# KiCad board MegaXE-keyboard.kicad_pcb (continued)
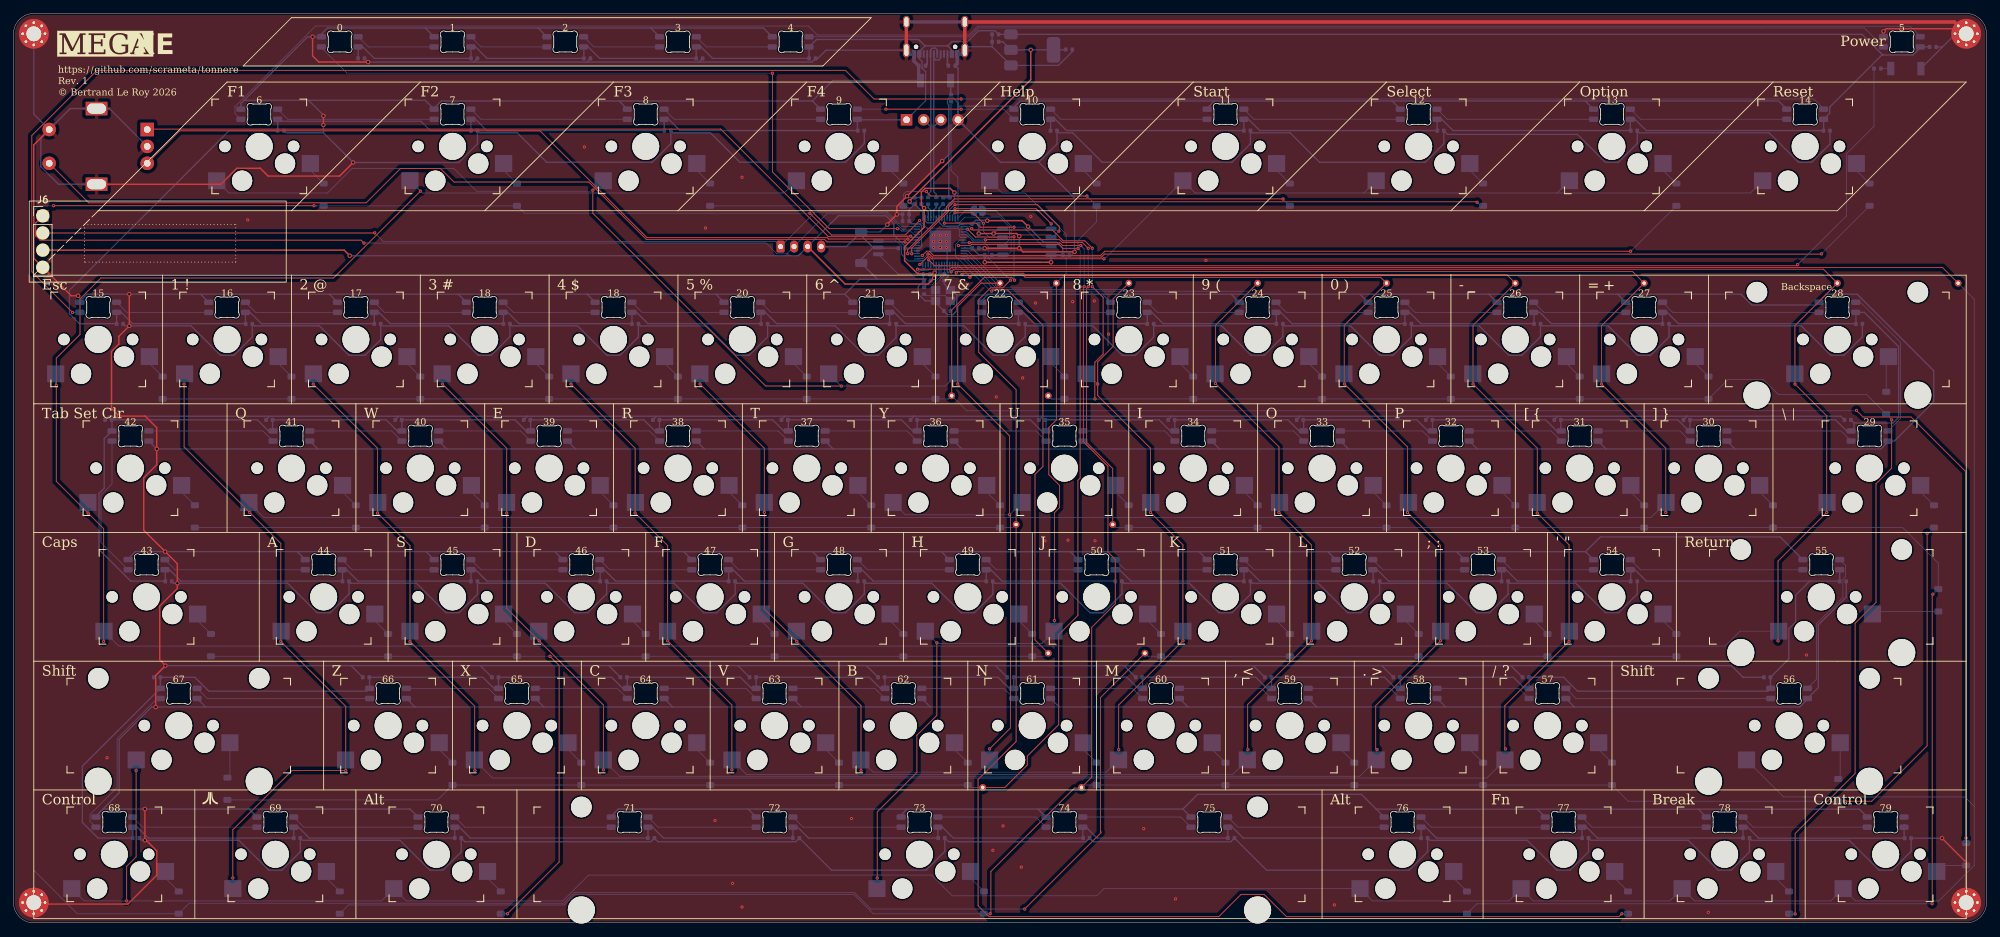
[diagram p0: board, top side]
## Routing (per net, layer and track width the routed paths; a pad name or vN(x,y) marks a point on that pad's centre or on a via; arc(x,y) is an arc through that point) (continued)
/Controller/FLASH_SS: length 12
  Bottom w0.127: 144.66,98.86 144.7,98.91 U9.1 147.07,98.91 147.52,99.35 147.52,103.14 145.26,105.39 R37.2
/Controller/QSPI_SCLK: length 21.5
  Top w0.127: v1(139.22,106.29) 151.42,106.29 154.65,103.06 154.65,102.45 v1(154.59,102.38)
  Bottom w0.127: U9.6 153.45,101.46 153.67,101.46 v1(154.59,102.38) ; U7.52 138.05,105.19 139.16,106.29 v1(139.22,106.29)
/Controller/QSPI_SD0: length 17.7
  Top w0.127: v1(139.22,105.7) 151.22,105.7 v1(153.45,103.46)
  Bottom w0.127: v1(139.22,105.7) 139.14,105.7 138.45,105.01 U7.53 ; U9.5 153.45,102.73 v1(153.45,103.46)
/Controller/QSPI_SD1: length 12.7
  Bottom w0.127: U9.2 146.31,100.18 147.27,101.13 147.27,103.03 145.85,104.45 140.69,104.45 139.92,103.67 139.44,103.67 139.25,103.86 U7.55
/Controller/QSPI_SD2: length 10.2
  Top w0.127: v1(143.43,103.54) 141.86,105.1 v1(139.22,105.1)
  Bottom w0.127: U9.3 144.32,101.45 143.43,102.34 v1(143.43,103.54) ; U7.54 138.85,104.72 v1(139.22,105.1)
/Controller/QSPI_SD3: length 17.9
  Top w0.127: v1(137.65,103.56) 142.35,103.56 142.95,102.96 v1(147.94,102.96)
  Bottom w0.127: v1(147.94,102.96) 149.38,102.96 152.17,100.18 U9.7 ; U7.51 v1(137.65,103.56)
/Controller/QSPI_SS: length 20.5
  Bottom w0.127: R30.1 138.63,121.53 138.63,111.37 139.65,110.35 U7.56 140.74,105.39 R37.1
/Controller/SCL: length 133.1
  Top w0.127: v1(53.4,102.12) 53.38,102.1 J6.2
  Bottom w0.127: U7.41 131.37,103.06 129.23,105.2 118.53,105.2 J1.1 112.66,100.86 54.67,100.86 v1(53.4,102.12)
/Controller/SDA: length 138.2
  Top w0.127: v1(51.83,100.6) 51.39,101.04 3.91,101.04 3.28,101.67 3.28,103.6 J6.1
  Bottom w0.127: U7.40 131.41,102.66 129.12,104.94 120.27,104.94 J1.2 114.36,99.03 112.89,99.03 111.31,100.6 v1(51.83,100.6)
/Controller/SWCLK: length 11.2
  Bottom w0.127: J9.1 130.51,100.96 131.32,100.15 131.32,98.95 132.3,97.97 134.1,97.97 134.18,98.05 134.63,98.05 135.14,98.56 ; 135.14,98.56 135.51,98.56 136.05,98.02 U7.24 ; 135.14,98.56 135.12,98.54
/Controller/SWD: length 9.8
  Bottom w0.127: J9.3 130.79,96.04 133.58,96.04 134.08,96.54 134.76,96.54 134.87,96.64 135.31,96.64 135.65,96.99 U7.25
/Controller/USB_D+: length 25.3
  Bottom w0.2: J5.B6 137.1,127.99 136.83,127.72 136.37,127.72 136.1,127.99 J5.A6 136.1,127.73 136.07,127.7 136.07,117.81 ; R26.1 136.45,107.85 136.07,108.23 136.07,117.81 ; 136.07,117.81 J4.3
/Controller/USB_D-: length 25.3
  Bottom w0.2: J5.A7 136.6,129.2 136.33,129.47 135.87,129.47 135.6,129.2 J5.B7 135.6,127.73 135.62,127.7 135.62,117.86 ; 135.62,117.86 135.59,117.86 J4.2 ; 135.62,117.86 135.62,108.23 135.25,107.85 R28.1
/Controller/USB_DN: length 2.2
  Bottom w0.2: U7.46 135.65,105.47 135.25,105.87 R28.2
/Controller/USB_DP: length 2.2
  Bottom w0.2: U7.47 136.05,105.47 136.45,105.87 R26.2
/Controller/XIN: length 4.3
  Bottom w0.127: X1.1 136.35,94.56 137.65,95.86 C24.1 U7.20
/Controller/XOUT: length 4.9
  Bottom w0.127: R31.2 135.03,94.45 135.88,94.45 137.14,95.71 137.14,97.32 U7.21
/Controller/~{USB_BOOT}: length 2.1
  Bottom w0.25: SW2.2 138.57,122.65 R30.2
/Key0/RGB_IN: length 14.2
  Bottom w0.127: D178.2 188.2,90.36 D169.4
/Key0/RGB_OUT: length 14.2
  Bottom w0.127: D178.4 207.25,90.36 D185.2
/Key1/RGB_IN: length 14.2
  Bottom w0.127: 28.85,90.36 16.75,90.36 D201.4
/Key1/RGB_OUT: length 14.2
  Bottom w0.127: D186.2 35.8,90.36 D193.4
/Key2/RGB_OUT: length 14
  Bottom w0.127: D186.4 54.85,90.36 66.7,90.36
/Key3/RGB_OUT: length 14
  Bottom w0.127: 72.4,91.86 73.9,90.36 85.75,90.36
/Key4/RGB_OUT: length 14.2
  Bottom w0.127: D170.4 92.95,90.36 D167.2
/Key5/RGB_OUT: length 14.2
  Bottom w0.127: 110.5,91.86 112,90.36 D151.2
/Key6/RGB_OUT: length 14.7
  Bottom w0.127: 143.15,90.36 142.53,89.73 131.67,89.73 D151.4
/Key7/RGB_OUT: length 14.2
  Bottom w0.127: D168.2 150.1,90.36 D150.4
/Key8/RGB_OUT: length 14.2
  Bottom w0.127: D169.2 169.15,90.36 D168.4
/KeyA/RGB_IN: length 21.4
  Bottom w0.127: D202.4 23.89,52.26 D197.2
/KeyA/RGB_OUT: length 14.2
  Bottom w0.127: D188.2 50.09,52.26 D197.4
/KeyAlt/RGB_IN: length 19
  Bottom w0.127: D227.2 42.94,14.16 D198.4
/KeyAlt/RGB_OUT: length 23.7
  Bottom w0.127: D227.4 66.76,14.16 D221.2
/KeyB/RGB_IN: length 14.2
  Bottom w0.127: D161.2 146.41,34.71 D155.4
/KeyB/RGB_OUT: length 14.2
  Bottom w0.127: D176.2 127.36,34.71 D161.4
/KeyBackslash/RGB_IN: length 23
  Bottom w0.127: D229.2 279.05,74.67 279.05,85.9 273.1,91.86 D204.4
/KeyBackslash/RGB_OUT: length 19
  Bottom w0.127: D194.2 270.24,72.81 D229.4
/KeyBreak/RGB_IN: length 19
  Bottom w0.127: D210.2 233.44,14.16 D226.4
/KeyBreak/RGB_OUT: length 19
  Bottom w0.127: D225.2 257.26,14.16 D210.4
/KeyC/RGB_IN: length 14.2
  Bottom w0.127: D184.2 108.31,34.71 D176.4
/KeyC/RGB_OUT: length 14.2
  Bottom w0.127: D184.4 89.26,34.71 D187.2
/KeyCaps/RGB_IN: length 21.4
  Bottom w0.127: D202.2 12.93,56.27 12.93,63.33 14.56,64.96 D206.4
/KeyComma/RGB_IN: length 14.2
  Bottom w0.127: D179.4 203.56,34.71 D175.2
/KeyComma/RGB_OUT: length 14.2
  Bottom w0.127: D162.2 184.51,34.71 D175.4
/KeyControl/RGB_IN: length 24
  Bottom w0.127: D209.4 21.25,33.21 15.33,27.28 15.33,20.04 11.32,16.03 11.32,15.02 D205.2
/KeyControl/RGB_OUT: length 19
  Bottom w0.127: D205.4 19.13,14.16 D198.2
/KeyD/RGB_IN: length 14.2
  Bottom w0.127: D188.4 69.14,52.26 D181.2
/KeyD/RGB_OUT: length 14
  Bottom w0.127: 100.03,52.26 88.19,52.26 D181.4
/KeyDelete/RGB_IN: length 23.7
  Bottom w0.127: 243.85,91.86 245.35,90.36 D204.2
/KeyE/RGB_IN: length 14.2
  Bottom w0.127: D172.4 94.02,72.81 D183.2
/KeyE/RGB_OUT: length 14.2
  Bottom w0.127: D183.4 74.97,72.81 D189.2
/KeyEqual/RGB_IN: length 14.2
  Bottom w0.127: D195.2 226.3,90.36 D185.4
/KeyEsc/RGB_IN: length 300.9
  Top w0.127: v1(140.13,121.94) 127.25,121.94 123.02,126.17 12.34,126.17 2.7,116.53 2.7,96.37 v1(8.73,90.34)
  Bottom w0.127: D211.4 267.66,120.51 266.22,121.94 v1(140.13,121.94) ; v1(8.73,90.34) 8.74,90.36 9.55,90.36
/KeyF1/RGB_IN: length 257.9
  Bottom w0.127: D149.4 281.95,131.22 280.47,132.7 142.57,132.7 141.27,131.4 118.87,131.4 117.53,132.73 44.68,132.73 32.75,120.81 32.75,119.8 33.43,119.11
/KeyF1/RGB_OUT: length 23.7
  Bottom w0.127: D154.4 40.56,118.93 D207.2
/KeyF2/RGB_OUT: length 23.5
  Bottom w0.127: 90.51,118.93 69.14,118.93 D207.4
/KeyF3/RGB_OUT: length 23.7
  Bottom w0.127: D159.4 97.71,118.93 D208.2
/KeyF4/RGB_OUT: length 23.7
  Top w0.127: v1(140.13,120.43) v1(129.01,120.43)
  Bottom w0.127: D208.4 129,120.43 v1(129.01,120.43) ; D160.2 146.43,120.42 140.14,120.42 v1(140.13,120.43)
/KeyF/RGB_OUT: length 14.2
  Bottom w0.127: D174.4 107.24,52.26 D163.2
/KeyFn/RGB_IN: length 19
  Bottom w0.127: D228.4 209.63,14.16 D226.2
/KeyG/RGB_OUT: length 14.2
  Bottom w0.127: D163.4 126.29,52.26 D157.2
/KeyH/RGB_OUT: length 14.2
  Bottom w0.127: D157.4 145.34,52.26 D156.2
/KeyHelp/RGB_OUT: length 23.7
  Bottom w0.127: D214.2 154.86,118.93 D160.4
/KeyI/RGB_IN: length 14.2
  Bottom w0.127: D171.4 189.27,72.81 D166.2
/KeyI/RGB_OUT: length 14.2
  Bottom w0.127: D166.4 170.23,72.81 D152.2
/KeyJ/RGB_OUT: length 14.2
  Bottom w0.127: D156.4 164.39,52.26 D164.2
/KeyK/RGB_OUT: length 14.2
  Bottom w0.127: D173.2 183.44,52.26 D164.4
/KeyL/RGB_OUT: length 14.2
  Bottom w0.127: D173.4 202.49,52.26 D182.2
/KeyLeftBracket/RGB_IN: length 14.2
  Bottom w0.127: D190.2 246.43,72.81 D194.4
/KeyLeftBracket/RGB_OUT: length 14.2
  Bottom w0.127: D180.2 227.38,72.81 D190.4
/KeyLeftShift/RGB_IN: length 26.1
  Bottom w0.127: D209.2 28.66,33.21 D200.4
/KeyM/RGB_OUT: length 14.2
  Bottom w0.127: D162.4 165.46,34.71 D155.2
/KeyO/RGB_IN: length 14.2
  Bottom w0.127: D171.2 208.32,72.81 D180.4
/KeyOption/RGB_IN: length 23.7
  Bottom w0.127: D213.4 212.01,118.93 D212.2
/KeyOption/RGB_OUT: length 23.7
  Bottom w0.127: D211.2 240.59,118.93 D212.4
/KeyPeriod/RGB_IN: length 14.2
  Bottom w0.127: D191.4 222.61,34.71 D179.2
/KeyQ/RGB_IN: length 14.2
  Bottom w0.127: D199.2 55.92,72.81 D189.4
/KeyQ/RGB_OUT: length 19
  Bottom w0.127: D206.2 36.88,72.81 D199.4
/KeyQuote/RGB_IN: length 14.2
  Bottom w0.127: D192.2 221.54,52.26 D182.4
/KeyQuote/RGB_OUT: length 26.1
  Bottom w0.127: D192.4 240.59,52.26 D203.2
/KeyR/RGB_IN: length 14.2
  Bottom w0.127: D165.4 113.08,72.81 D172.2
/KeyReturn/RGB_OUT: length 21.7
  Bottom w0.127: D203.4 270.91,52.89 270.91,51.24 270.52,50.84 270.52,48.18 266.59,44.25 266.59,36.02 D215.2
/KeyRightAlt/RGB_IN: length 23.7
  Bottom w0.127: D224.4 181.06,14.16 D228.2
/KeyRightShift/RGB_OUT: length 30.9
  Bottom w0.127: D191.2 231.06,33.21 D215.4
/KeySelect/RGB_IN: length 23.7
  Bottom w0.127: D214.4 183.44,118.93 D213.2
/KeySpace/RGB_IN: length 16.6
  Bottom w0.127: D158.2 116.76,14.16 D222.4
/KeySpace/RGB_OUT: length 16.6
  Bottom w0.127: D223.2 151.18,15.66 D158.4
/KeyT/RGB_IN: length 14.2
  Bottom w0.127: D153.4 132.12,72.81 D165.2
/KeyU/RGB_OUT: length 14.2
  Bottom w0.127: D152.4 151.18,72.81 D153.2
/KeyX/RGB_OUT: length 14.2
  Bottom w0.127: D200.2 70.21,34.71 D187.4
/Logo1/RGB_OUT: length 11.8
  Bottom w0.127: D217.2 52.47,129.65 D216.4
/Logo2/RGB_OUT: length 11.8
  Bottom w0.127: D217.4 69.14,129.65 D218.2
/Logo3/RGB_OUT: length 11.8
  Bottom w0.127: D218.4 85.81,129.65 D219.2
/Logo4/RGB_OUT: length 11.8
  Bottom w0.127: D220.2 102.48,129.65 D219.4
/Logo5/RGB_OUT: length 160.6
  Bottom w0.127: D220.4 141.38,131.15 142.68,132.45 273.7,132.45 276.5,129.65
/Space1/RGB_OUT: length 16.6
  Bottom w0.127: D221.4 95.33,14.16 D222.2
/Space3/RGB_OUT: length 16.6
  Bottom w0.127: D223.4 172.61,15.66 D224.2
COL_1: length 241.6
  Top w0.127: v1(144.32,25.74) 147.43,28.84 147.43,60.27 v1(147.3,60.4) 147.3,72.07 v1(139.62,79.74) 139.62,91.24 143.06,94.68 TP1.1 ; v1(122.42,79.45) 111.24,79.45 85.66,105.02 v1(85.66,108.45)
  Bottom w0.127: TP1.1 141.09,99.46 U7.11 ; SW14.1 31.86,108.03 46.43,108.03 50.05,111.65 65.12,111.65 68.49,108.28 85.64,108.28 SW19.1 ; v1(144.32,25.74) 144.35,25.72 SW15.1 ; SW13.1 131.87,60.4 v1(147.3,60.4) SW12.1 ; SW11.1 122.35,79.45 v1(122.42,79.45) 137.77,79.45 SW10.1 139.58,79.78 v1(139.62,79.74)
COL_2: length 152.4
  Top w0.127: TP2.1 154.21,74.43 153.09,73.31 153.09,66.34 154.67,64.76 154.67,61.46 153.92,60.71 153.92,44.75 v1(153.93,44.74) ; v1(127.72,6.64) 127.72,16.42 133.58,22.28 133.58,27.76 136.53,30.71 v1(136.53,41.45)
  Bottom w0.127: SW20.1 146.16,108.03 149.54,108.03 155.66,101.91 155.66,96.13 TP2.1 153.52,93.99 145.59,93.99 145.18,94.39 145.18,94.8 140.93,99.06 U7.12 ; SW18.1 127.68,6.6 v1(127.73,6.64) ; v1(153.93,44.74) 153.93,43.22 SW16.1 152.06,41.35 136.64,41.35 v1(136.53,41.45) SW17.1
COL_3: length 226.7
  Top w0.127: v1(101.52,79.74) 111.02,70.24 v1(111.02,60.74) 111.02,46.44 v1(115.83,41.64) 125.33,32.14 v1(125.33,22.54) ; v1(163.43,25.64) 163.43,32.24 v1(172.93,41.74) 172.93,55.94 v1(168.12,60.74) 168.12,70.24 160.32,78.04 v1(160.32,79.74) 160.32,83.03 162.61,85.32 162.61,92.36 TP3.1
  Bottom w0.127: v1(125.33,22.54) 125.3,22.57 SW21.1 127.11,22.3 161.58,22.3 SW22.1 163.4,25.62 v1(163.43,25.64) ; v1(172.93,41.74) 172.92,41.75 SW24.1 ; TP3.1 163.98,93.73 145.48,93.73 141.12,98.09 141.12,98.46 140.93,98.66 U7.13 ; v1(160.32,79.74) 158.81,81.26 SW28.1 ; SW27.1 101.48,79.78 v1(101.52,79.74) ; v1(168.12,60.74) 168.16,60.78 SW26.1 ; v1(115.83,41.64) 115.77,41.7 SW23.1 ; v1(111.02,60.74) 111.01,60.76 SW25.1
COL_4: length 284.3
  Top w0.127: v1(82.42,79.74) 91.92,70.24 v1(91.92,60.64) 96.73,55.84 v1(96.73,41.74) 106.23,32.24 v1(106.23,22.64) ; TP4.1 177.73,88.43 v1(177.73,79.84) 187.12,70.44 v1(187.12,60.74) 191.93,55.94 v1(191.93,41.74) 182.49,32.31 182.49,25.68 v1(182.52,25.64)
  Bottom w0.127: U7.14 145.27,93.48 182.78,93.48 TP4.1 ; v1(187.12,60.74) 187.21,60.83 187.21,62.21 ; v1(106.23,22.64) 106.25,22.67 SW36.1 108.42,21.94 180.28,21.94 SW35.1 182.45,25.57 v1(182.52,25.64) ; v1(82.42,79.74) 82.44,79.75 SW30.1 ; SW33.1 191.97,41.79 v1(191.93,41.74) ; v1(91.92,60.64) 91.96,60.68 SW32.1 ; SW29.1 177.69,79.88 v1(177.73,79.84) ; v1(96.73,41.74) 96.72,41.75 SW34.1
COL_5: length 341.8
  Top w0.127: v1(141.43,95.54) 141.78,95.9 149.24,95.9 149.59,95.54 202.16,95.54 TP5.1 196.78,88.43 196.78,79.79 v1(196.82,79.74) 206.12,70.44 v1(206.12,60.74) 211.02,55.84 v1(211.02,41.74) 201.43,32.14 201.43,25.84 v1(201.62,25.64) ; v1(63.42,79.74) 72.92,70.24 v1(72.92,60.64) 72.92,46.54 v1(77.72,41.74) 87.23,32.24 v1(87.23,22.64)
  Bottom w0.127: SW38.1 63.39,79.78 v1(63.42,79.74) ; v1(201.62,25.64) 201.5,25.52 SW43.1 199.07,21.69 89.62,21.69 SW44.1 87.2,22.67 v1(87.23,22.64) ; U7.15 141.43,95.65 v1(141.43,95.54) ; SW41.1 211.02,41.75 v1(211.02,41.74) ; SW37.1 196.74,79.83 v1(196.82,79.74) ; SW42.1 77.72,43.11 v1(77.72,41.74) ; SW40.1 72.91,60.66 v1(72.92,60.64) ; v1(206.12,60.74) 206.26,60.88 SW39.1
COL_6: length 400
  Top w0.127: v1(140.26,95.98) 140.43,96.15 149.34,96.15 149.52,95.97 220.78,95.97 TP6.1 215.82,88.43 v1(215.82,79.74) 225.32,70.24 v1(225.32,60.64) 230.02,55.94 v1(230.02,41.64) 220.52,32.14 220.52,25.84 v1(220.62,25.74) ; v1(44.33,79.74) 53.83,70.24 v1(53.83,60.64) 58.62,55.84 v1(58.62,41.64) 68.19,32.08 68.19,22.58 v1(68.22,22.54)
  Bottom w0.127: v1(225.32,60.64) 225.31,60.66 SW48.1 ; v1(215.82,79.74) 215.78,79.78 SW46.1 ; v1(58.62,41.64) 58.62,41.65 SW49.1 ; v1(68.22,22.54) 68.15,22.62 SW52.1 70.83,21.44 217.87,21.44 SW47.1 220.55,25.67 v1(220.62,25.74) ; v1(140.26,95.98) 139.25,96.99 U7.16 ; v1(230.02,41.64) 230.07,41.69 SW50.1 ; SW51.1 53.86,60.68 v1(53.83,60.64) ; v1(44.33,79.74) 44.33,79.75 SW45.1
COL_7: length 461.2
  Top w0.127: v1(139.41,96.23) 139.58,96.4 239.4,96.4 TP7.1 234.82,88.38 v1(234.82,79.74) 244.32,70.24 v1(244.32,60.74) ; v1(25.22,79.74) 25.22,70.44 v1(34.92,60.74) 39.53,56.14 v1(39.53,41.64) 49.12,32.04 v1(49.12,22.54) 41.19,22.54 32.42,13.78 v1(32.42,6.64)
  Bottom w0.127: SW55.1 49.1,22.57 v1(49.12,22.54) ; SW59.1 32.43,6.64 v1(32.42,6.64) ; v1(25.22,79.74) 25.28,79.8 SW54.1 ; v1(39.53,41.64) 39.57,41.69 SW56.1 ; SW53.1 234.83,79.75 v1(234.82,79.74) ; v1(34.92,60.74) 34.92,62.1 SW57.1 37.05,59.97 242.12,59.97 244.36,62.21 244.36,60.78 v1(244.32,60.74) ; v1(139.41,96.23) 138.85,96.79 U7.17
COL_8: length 623.2
  Top w0.127: v1(13.33,41.64) 13.33,58.34 v1(11.02,60.64) 6.33,65.34 v1(6.33,79.54) 6.33,83.58 9.83,87.08 9.83,92.34 12.92,95.44 47.33,95.44 v1(60.17,108.29) ; v1(260.93,41.74) 260.93,53.54 v1(268.12,60.74) 268.12,75.04 v1(263.43,79.74) 263.43,88.4 TP8.1 267.63,96.74 139.05,96.74 v1(138.65,96.34)
  Bottom w0.127: SW67.1 11.02,62.19 v1(11.02,60.64) ; SW61.1 6.23,79.63 v1(6.33,79.54) ; SW80.1 268.17,60.79 v1(268.12,60.74) ; v1(260.93,41.74) 260.93,43.06 SW62.1 255.31,43.16 253.11,40.96 15.58,40.96 SW65.1 13.38,41.7 v1(13.33,41.64) ; v1(263.43,79.74) 263.41,79.76 SW63.1 ; SW64.1 v1(60.17,108.29) 60.44,108.03 113.96,108.03 SW68.1 ; U7.18 138.45,96.54 v1(138.65,96.34)
COL_9: length 596.3
  Top w0.127: v1(18.12,22.54) 18.12,9.76 16.73,8.36 v1(16.73,3.24) ; TP9.1 285.24,97 138.73,97 138.47,96.74 v1(133.68,96.74)
  Bottom w0.127: SW69.1 18.14,22.56 v1(18.12,22.54) ; TP9.1 289.94,92.3 289.94,17.24 ; 134.66,96.8 134.43,96.8 ; 134.66,96.8 133.73,96.8 v1(133.68,96.74) ; 134.66,96.8 134.85,96.99 U7.27 ; 289.94,17.24 288.54,18.64 261.74,18.64 SW75.1 ; 289.94,17.24 289.94,8.49 284.7,3.25 272.37,3.25 SW76.1 268.74,3.25 248.55,3.25 SW70.1 244.93,3.25 224.74,3.25 SW77.1 221.12,3.25 200.93,3.25 SW79.1 161.25,5.06 160.19,4.01 138.81,4.01 135.75,7.07 85.05,7.07 81.23,3.25 58.05,3.25 SW78.1 54.42,3.24 v1(16.73,3.24) 10.44,3.24 SW66.1
CONSOLE: length 137
  Top w0.127: v1(161.25,98.29) 135.78,98.29 135.51,98.56 135.14,98.56 v1(134.02,97.44)
  Bottom w0.127: 199.68,108.03 SW73.1 ; 199.68,108.03 228.26,108.03 ; 199.68,108.03 174.74,108.03 SW74.1 161.37,98.29 v1(161.25,98.29) ; 228.26,108.03 256.83,108.03 SW71.1 ; 228.26,108.03 SW72.1 ; v1(134.02,97.44) 134.04,97.42 U7.28
EncoderA: length 120.6
  Top w0.127: SW1.A 19.84,117.48 104.58,117.48 120.5,101.56 131.96,101.56 132.05,101.64 132.66,101.64 v1(132.67,101.63)
  Bottom w0.127: U7.37 132.84,101.46 v1(132.67,101.63)
EncoderB: length 122.5
  Top w0.127: SW1.B 24.58,117.23 77.85,117.23 93.66,101.41 120.28,101.41 120.49,101.21 132.25,101.21 v1(132.25,101.2)
  Bottom w0.127: v1(132.25,101.2) 132.39,101.06 U7.36
EncoderSwitch: length 137.4
  Top w0.127: v1(131.83,100.78) 120.3,100.78 119.92,101.16 93.56,101.16 85.07,109.64 65.13,109.64 63.12,111.65 57.22,111.65 52.14,106.57 11.12,106.57 SW1.S1
  Bottom w0.127: v1(131.83,100.78) 131.95,100.66 U7.35
OPTION: length 115.9
  Top w0.127: v1(134.39,98.77) 135.03,99.41 135.43,99.41 136.04,98.79 160.78,98.79 161.39,99.41 v1(239.12,99.41)
  Bottom w0.127: v1(239.12,99.41) 239.17,99.41 D141.1 ; v1(134.39,98.77) 134.28,98.66 U7.30
RESET: length 144.5
  Top w0.127: v1(135.22,98.98) 135.45,98.98 135.89,98.54 160.88,98.54 161.32,98.98 267.32,98.98 v1(267.35,99.02)
  Bottom w0.127: U7.29 133.66,98.31 134.53,98.31 135.2,98.98 v1(135.22,98.98) ; v1(267.35,99.02) D139.1
RGB: length 108.2
  Top w0.127: v1(112.23,125.74) 112.23,111.15 120.63,102.74 v1(130.72,102.74)
  Bottom w0.127: v1(130.72,102.74) 130.97,102.74 131.3,102.41 132.64,102.41 133.21,101.84 133.59,101.84 U7.38 ; D216.2 45.52,129.55 49.33,125.74 v1(112.23,125.74)
ROW_1: length 252.4
  Top w0.127: v1(263.46,1.31) 263.46,13.23 272.32,22.09 272.32,44.34 275.42,47.43 275.42,64.99 277.72,67.29 v1(277.72,74.44) ; v1(159.52,99.84) 158.43,100.94 155.23,100.94 153.63,102.54 141.9,102.54 v1(141.68,102.75) ; v1(159.52,94.16) 161.12,92.56 161.12,84.19 159.9,82.97 159.9,77.58 v1(159.93,77.55)
  Bottom w0.127: U7.2 140.51,103.09 141.35,103.09 v1(141.68,102.75) ; v1(277.72,74.44) 277.72,74.49 D123.1 274.02,78.2 260.98,78.2 258.76,80.42 253.52,80.42 D103.1 D89.1 D71.1 D55.1 D53.1 D17.1 153.48,77.55 TP10.1 ; v1(159.52,99.84) v1(159.52,94.16) ; D137.1 263.42,1.35 v1(263.46,1.31)
ROW_2: length 365.1
  Top w0.127: v1(272.52,75.84) 273.5,74.87 280.6,74.87 288.72,66.75 v1(288.72,12.54) ; v1(148.02,95.12) 148.02,95.12 147.6,95.54 143.57,95.54 138.73,90.71 TP11.1 ; 147.9,101.5 142.25,101.5 v1(141.09,102.66)
  Bottom w0.127: v1(272.52,75.84) 272.47,75.79 140.95,75.79 TP11.1 138.27,77.55 D18.1 D51.1 D57.1 D73.1 D87.1 D105.1 D119.1 ; v1(141.09,102.66) U7.3 ; v1(288.72,12.54) 288.72,11.82 D130.1 ; v1(148.02,95.12) 147.94,95.2 v1(147.94,101.54)
ROW_3: length 306.7
  Top w0.127: v1(158.92,94.16) 158.68,93.92 158.68,71.1 162.54,67.24 TP12.1 ; v1(283.82,48.64) 283.72,48.54 v1(283.72,2.82) ; v1(143.72,101.08) 143.76,101.12 154.69,101.12 155.12,100.68 158.07,100.68 v1(158.93,99.83)
  Bottom w0.127: v1(143.72,101.08) 143.72,101.09 143.65,101.17 141.96,101.17 141.96,101.17 140.87,102.26 U7.4 ; v1(283.82,48.64) 283.88,48.64 D121.1 284.62,53.24 279.37,58.5 D113.1 D93.1 D75.1 D59.1 D49.1 D19.1 163,58.5 TP12.1 ; v1(158.92,94.16) 158.92,99.83 v1(158.93,99.83) ; D134.1 216.41,2.82 v1(283.72,2.82)
ROW_4: length 332.2
  Top w0.127: v1(147.43,95.12) 146.29,93.99 144.47,93.99 142.73,92.24 142.73,84.44 148.26,78.91 TP13.1 148.26,26.84 142.63,21.22 142.63,2.53 144.25,0.92 178.23,0.92 181.52,4.22 184.93,4.22 188.23,0.92 237.4,0.92 v1(237.82,1.34)
  Bottom w0.127: D131.1 D111.1 D99.1 D77.1 D61.1 D47.1 D20.1 147.8,58.5 TP13.1 ; D148.1 238.74,1.34 v1(237.82,1.34) ; U7.5 140.91,101.86 141.85,100.92 143.28,100.92 144.12,100.07 144.12,98.42 v1(147.43,95.12)
ROW_5: length 515.9
  Top w0.127: v1(117.75,105.02) 120.96,101.81 131.86,101.81 v1(133.99,103.94) ; v1(149.52,2.04) 160.81,13.32 160.81,13.46 160.73,13.54 ; 160.73,13.42 160.73,13.54 ; 160.73,13.54 160.73,33.33 TP14.1 ; v1(5.92,106.14) v1(44.42,106.14)
  Bottom w0.127: v1(149.52,2.04) 126.78,2.04 124.36,4.47 82.91,4.47 81.33,2.9 25.98,2.9 D129.1 9.42,1.35 2.98,7.79 2.98,105.38 3.73,106.12 5.91,106.12 v1(5.92,106.14) ; v1(44.42,106.14) 44.72,106.14 44.74,106.12 D21.1 D125.1 75.54,105.02 v1(117.75,105.02) ; 135.42,102.81 135.93,102.81 ; 135.42,102.81 139.66,102.81 139.86,102.61 139.86,101.65 140.05,101.46 U7.6 ; 135.42,102.81 135.12,102.81 v1(133.99,103.94) ; D97.1 D79.1 D63.1 D31.1 D23.1 167.77,39.45 TP14.1
ROW_6: length 237.2
  Top w0.127: TP15.1 151.05,41.88 151.05,66.37 152.23,67.55 152.23,88.44 146.98,93.69 144.82,93.69 v1(144.64,93.51) ; v1(79.33,39.45) 80.68,38.09 80.68,9 v1(73.03,1.34)
  Bottom w0.127: D132.1 73.02,1.35 v1(73.03,1.34) ; v1(144.64,93.51) 144.46,93.51 139.3,98.67 139.3,100.42 139.94,101.06 U7.7 ; TP15.1 152.56,39.45 D24.1 D30.1 D65.1 D81.1 v1(79.33,39.45) D95.1 D109.1 D127.1
ROW_7: length 387.9
  Top w0.127: TP16.1 159.44,21.55 159.44,43.73 162.93,47.22 162.93,53.79 161.84,54.88 161.84,67.58 158.2,71.22 158.2,94.04 v1(158.32,94.16) ; v1(157.82,100.24) 156.42,100.24 156.4,100.26 155.11,100.26 154.72,100.65 141.75,100.65 141.74,100.66 v1(141.32,100.66) ; 157.93,19.94 156.87,19.94 144.52,7.6 144.52,1.44 v1(144.43,1.34) ; v1(270.88,17.99) 274.77,17.99 282.97,26.2 v1(282.97,57.64)
  Bottom w0.127: v1(282.97,57.64) 283.13,57.64 D128.1 ; 157.93,19.94 157.93,20.08 158.24,20.4 D22.1 D29.1 D67.1 D83.1 D91.1 238.77,17.99 D147.1 v1(270.88,17.99) ; v1(157.82,100.24) 158.32,99.75 v1(158.32,94.16) ; v1(141.32,100.66) U7.8 ; D115.1 49.54,2.64 81.44,2.64 83.01,4.22 124.25,4.22 127.12,1.35 D25.1 143.5,1.34 v1(144.43,1.34)
ROW_8: length 286.7
  Top w0.127: v1(157.42,99.81) 157.39,99.83 155.18,99.83 154.61,100.4 141.66,100.4 141.5,100.24 139.73,100.24 v1(139.73,100.24) ; TP17.1 146.59,20.04 149.91,23.36 149.91,24.68 154.55,29.32 154.55,42.66 157.4,45.5 157.4,65.5 157.73,65.83 v1(157.73,94.16) ; v1(134.98,108.24) 135.65,107.57 v1(158.73,107.57)
  Bottom w0.127: v1(134.98,108.24) 132.02,108.24 131.59,107.81 D133.1 D26.1 ; U7.9 139.74,100.26 v1(139.73,100.24) ; v1(158.73,107.57) 160.16,106.13 D27.1 160.16,103.77 157.42,101.02 157.42,100.44 157.4,100.42 157.4,100.07 157.42,100.05 v1(157.42,99.81) 157.73,99.5 v1(157.73,94.16) ; D135.1 62.71,18.19 D107.1 D101.1 D85.1 D69.1 D28.1 141.47,20.04 TP17.1
SELECT: length 89.6
  Top w0.127: v1(216.43,106.64) 216.35,106.72 139.05,106.72 138.25,105.92 138.25,105.3 132.82,99.88 v1(132.82,99.04)
  Bottom w0.127: U7.31 132.85,99.06 v1(132.82,99.04) ; D143.1 216.94,106.12 v1(216.43,106.64)
START: length 62.6
  Top w0.127: v1(132.23,99.05) 132.23,99.64 137.99,105.41 137.99,106.02 139.11,107.14 v1(187.73,107.14)
  Bottom w0.127: v1(187.73,107.14) 188.74,106.13 D145.1 ; U7.32 132.64,99.46 v1(132.23,99.05)
VSYS: length 2075.3
  Bottom w0.2: 34.3,88.69 17.59,88.69 15.92,90.36 D201.3 15.24,90.35 C127.1 15.2,88.69 9.73,88.69 8.26,90.15 8.26,93.62 31.9,117.26 39.03,117.26 C80.1 39.06,117.26 D154.3 39.35,118.64 60.25,118.64 61.62,117.26 67.63,117.26 C133.1 67.64,117.25 D207.3 68.31,118.93 69.98,117.26 96.23,117.26 C85.1 96.21,117.28 D159.3 96.89,118.93 98.56,117.26 124.83,117.26 C134.1 124.79,117.3 D208.3 124.86,118.86 J4.1 134.88,121.69 134.88,125.98 134.34,126.52 134.34,127.5 133.95,127.89 J5.A4 133.95,128.95 134.8,129.79 ; 34.3,88.69 C119.1 34.3,88.69 ; 34.3,88.69 D193.3 34.97,90.36 36.64,88.69 53.3,88.69 C112.1 53.35,88.65 D186.3 54.03,90.36 55.69,88.69 72.4,88.69 C103.1 72.45,90.31 72.4,90.36 73.08,90.36 74.74,88.69 91.4,88.69 C96.1 91.45,88.65 D170.3 92.13,90.36 93.79,88.69 110.5,88.69 C93.1 110.55,90.31 110.5,90.36 111.17,90.36 112.84,88.69 129.5,88.69 C77.1 129.55,88.65 D151.3 130.23,90.36 131.89,88.69 148.6,88.69 ; 265.62,50.59 270,50.59 C129.1 270.04,52.25 D203.3 ; 265.62,50.59 241.43,50.59 239.76,52.26 D192.3 239.14,52.2 C118.1 239.1,50.59 222.38,50.59 220.71,52.26 D182.3 220.04,52.25 C108.1 220,50.59 203.33,50.59 201.66,52.26 D173.3 201.05,52.2 C99.1 201,50.59 184.28,50.59 182.61,52.26 D164.3 181.94,52.25 C90.1 181.9,50.59 165.23,50.59 163.56,52.26 D156.3 162.94,52.2 C82.1 162.9,50.59 146.18,50.59 144.51,52.26 D157.3 143.85,52.25 C83.1 143.8,50.59 127.13,50.59 125.46,52.26 D163.3 124.85,52.2 C89.1 124.8,50.59 108.08,50.59 106.41,52.26 D174.3 105.74,50.62 105.7,50.59 89.03,50.59 87.36,52.26 D181.3 86.75,52.2 C107.1 86.7,50.59 69.98,50.59 68.31,52.26 D188.3 67.64,52.25 C114.1 67.6,50.59 50.93,50.59 49.26,52.26 D197.3 48.64,52.2 C123.1 48.6,50.59 24.74,50.59 23.07,52.26 D202.3 22.45,52.2 C128.1 22.4,50.59 17.32,50.59 12.64,55.26 12.64,63.56 13.41,64.33 13.41,71.65 D206.3 14.56,74.39 C132.1 36.06,74.44 37.7,72.81 D199.3 38.31,72.88 C125.1 55.11,74.44 56.75,72.81 D189.3 57.42,74.42 C115.1 74.16,74.44 75.8,72.81 D183.3 76.47,74.37 C109.1 93.21,74.44 94.85,72.81 D172.3 95.52,74.42 C98.1 112.26,74.44 113.9,72.81 D165.3 114.58,74.37 C91.1 131.31,74.44 132.95,72.81 D153.3 133.62,74.42 C79.1 150.36,74.44 152,72.81 D152.3 152.68,74.37 C78.1 169.41,74.44 171.05,72.81 D166.3 171.73,74.42 C92.1 188.46,74.44 190.1,72.81 D171.3 190.77,74.37 C97.1 207.51,74.44 209.15,72.81 D180.3 209.82,74.42 C106.1 226.56,74.44 228.2,72.81 D190.3 228.81,72.88 C116.1 246.11,74.44 247.75,72.81 D194.3 247.9,72.83 C120.1 269.43,74.44 271.06,72.81 D229.3 272.17,73.24 272.17,73.98 ; 265.62,50.59 263.52,48.49 263.52,44.53 262.53,43.53 262.53,39.07 C141.1 259.81,34.73 D215.3 259.42,34.3 231.26,34.3 229.22,36.34 C117.1 224.11,36.34 D191.3 223.44,34.71 221.8,36.34 C105.1 205.06,36.29 D179.3 204.39,34.71 202.75,36.34 C101.1 186.01,36.34 D175.3 185.34,34.71 183.7,36.34 C88.1 166.96,36.29 D162.3 166.29,34.71 164.65,36.34 C81.1 147.91,36.34 D155.3 147.24,34.71 145.6,36.34 C87.1 128.86,36.29 D161.3 128.19,34.71 126.55,36.34 C102.1 109.81,36.34 D176.3 109.14,34.71 107.5,36.34 C110.1 90.76,36.29 D184.3 90.09,34.71 88.45,36.34 C113.1 71.71,36.34 D187.3 71.04,34.71 69.4,36.34 C126.1 52.66,36.29 D200.3 52.25,34.3 28.86,34.3 26.81,36.34 C135.1 21.7,34.71 D209.3 10.18,23.18 10.18,14.86 12.5,12.54 C131.1 17.65,14.14 D205.3 18.31,14.16 19.92,12.54 C124.1 41.45,14.16 D198.3 42.12,14.16 43.73,12.54 C153.1 65.25,14.14 D227.3 65.93,14.16 67.54,12.54 C147.1 93.83,12.57 D221.3 94.51,14.16 96.12,12.54 C148.1 115.26,12.56 D222.3 115.94,14.16 117.55,12.54 C84.1 136.69,12.59 D158.3 137.37,14.16 138.98,12.54 C149.1 158.12,12.58 D223.3 158.61,14.16 160.23,12.54 C150.1 179.56,12.57 D224.3 180.23,14.16 181.84,12.54 C154.1 208.14,14.14 D228.3 208.81,14.16 210.42,12.54 C152.1 231.94,14.16 D226.3 232.62,14.16 234.23,12.54 C136.1 255.75,14.14 D210.3 256.43,14.16 258.06,12.52 C151.1 279.57,12.6 D225.3 ; C86.1 153.36,117.26 D160.3 154.04,118.93 155.71,117.26 181.93,117.26 C140.1 181.94,117.25 D214.3 182.61,118.93 184.28,117.26 210.53,117.26 C139.1 210.51,117.28 D213.3 211.19,118.93 212.86,117.26 239.13,117.26 C138.1 239.09,117.3 D212.3 239.76,118.93 241.43,117.26 267.63,117.26 C137.1 267.66,117.26 D211.3 268.56,119.83 268.56,120.73 276.28,128.44 276.41,128.44 ; 138.12,129.79 134.8,129.79 ; 138.12,129.79 138.76,130.43 141.07,130.43 142.68,132.04 145.13,132.04 C43.2 U4.3 273.35,131.51 276.41,128.44 ; 138.12,129.79 138.75,129.17 J5.A9 ; 134.8,129.79 133.85,130.74 118.74,130.74 D220.3 117.64,129.65 C146.1 103.35,127.94 101.65,129.65 D219.3 100.95,129.62 C145.1 86.68,127.94 84.98,129.65 D218.3 84.34,129.61 C144.1 70.02,127.94 68.31,129.65 D217.3 67.64,129.64 C143.1 53.35,127.94 51.64,129.65 D216.3 50.97,127.97 C142.1 ; 276.41,128.44 280.88,128.44 281.95,129.52 D149.3 283.34,129.65 C75.1 ; 272.17,73.98 C155.1 ; 272.17,73.98 277.92,73.98 278.76,74.83 278.76,85.28 273.69,90.36 D204.3 272.44,90.34 C130.1 272.4,88.69 246.19,88.69 244.52,90.36 243.85,90.36 243.84,90.35 C121.1 243.8,88.69 227.38,88.69 225.71,90.36 D185.3 224.84,90.31 C111.1 224.8,88.69 208.09,88.69 206.43,90.36 D178.3 205.75,90.35 C104.1 205.7,88.69 189.04,88.69 187.38,90.36 D169.3 186.75,90.31 C95.1 186.7,88.69 169.99,88.69 168.32,90.36 D168.3 167.64,90.35 C94.1 167.6,88.69 150.94,88.69 149.27,90.36 D150.3 148.6,88.69 ; 148.6,88.69 C76.1 148.6,88.69 ; 279.64,14.48 279.57,14.56
Net-(C25-Pad2): length 5.8
  Bottom w0.127: R31.1 134.83,92.87 137.74,92.87 X1.3 138.55,91.86 138.53,91.84 C25.2
Net-(D17-A): length 3.8
  Bottom w0.127: SW10.2 153.44,82.81 D17.2
Net-(D18-A): length 3.8
  Bottom w0.127: D18.2 134.38,82.81 SW11.2
Net-(D19-A): length 3.8
  Bottom w0.127: SW12.2 162.96,63.76 D19.2
Net-(D20-A): length 3.8
  Bottom w0.127: SW13.2 143.91,63.76 D20.2
Net-(D21-A): length 3.8
  Bottom w0.127: SW14.2 43.9,111.39 D21.2
Net-(D22-A): length 3.8
  Bottom w0.127: SW15.2 158.2,25.66 D22.2
Net-(D23-A): length 3.8
  Bottom w0.127: D23.2 167.72,44.71 SW16.2
Net-(D24-A): length 3.8
  Bottom w0.127: SW17.2 148.67,44.71 D24.2
Net-(D25-A): length 3.8
  Bottom w0.127: D25.2 141.53,6.61 SW18.2
Net-(D26-A): length 3.8
  Bottom w0.127: D26.2 101.05,111.39 SW19.2
Net-(D27-A): length 3.8
  Bottom w0.127: SW20.2 158.2,111.39 D27.2
Net-(D28-A): length 3.8
  Bottom w0.127: D28.2 139.15,25.66 SW21.2
Net-(D29-A): length 3.8
  Bottom w0.127: D29.2 177.25,25.66 SW22.2
Net-(D30-A): length 3.8
  Bottom w0.127: D30.2 129.62,44.71 SW23.2
Net-(D31-A): length 3.8
  Bottom w0.127: D31.2 186.77,44.71 SW24.2
Net-(D47-A): length 3.8
  Bottom w0.127: D47.2 124.86,63.76 SW25.2
Net-(D49-A): length 3.8
  Bottom w0.127: SW26.2 182.01,63.76 D49.2
Net-(D51-A): length 3.8
  Bottom w0.127: D51.2 115.33,82.81 SW27.2
Net-(D53-A): length 3.8
  Bottom w0.127: SW28.2 172.49,82.81 D53.2
Net-(D55-A): length 3.8
  Bottom w0.127: D55.2 191.54,82.81 SW29.2
Net-(D57-A): length 3.8
  Bottom w0.127: SW30.2 96.29,82.81 D57.2
Net-(D59-A): length 3.8
  Bottom w0.127: D59.2 201.06,63.76 SW31.2
Net-(D61-A): length 3.8
  Bottom w0.127: 105.81,64.75 105.81,63.76 D61.2
Net-(D63-A): length 3.8
  Bottom w0.127: SW33.2 205.82,44.71 D63.2
Net-(D65-A): length 3.8
  Bottom w0.127: SW34.2 110.57,44.71 D65.2
Net-(D67-A): length 3.8
  Bottom w0.127: D67.2 196.3,25.66 SW35.2
Net-(D69-A): length 3.8
  Bottom w0.127: SW36.2 120.1,25.66 D69.2
Net-(D71-A): length 3.8
  Bottom w0.127: SW37.2 210.58,82.81 D71.2
Net-(D73-A): length 3.8
  Bottom w0.127: SW38.2 77.23,82.81 D73.2
Net-(D75-A): length 3.8
  Bottom w0.127: D75.2 220.11,63.76 220.11,64.75
Net-(D77-A): length 3.8
  Bottom w0.127: SW40.2 86.76,63.76 D77.2
Net-(D79-A): length 3.8
  Bottom w0.127: SW41.2 224.87,44.71 D79.2
Net-(D81-A): length 3.8
  Bottom w0.127: D81.2 91.52,44.71 SW42.2
Net-(D83-A): length 3.8
  Bottom w0.127: SW43.2 215.35,25.66 D83.2
Net-(D85-A): length 3.8
  Bottom w0.127: D85.2 101.05,25.66 SW44.2
Net-(D87-A): length 3.8
  Bottom w0.127: SW45.2 58.19,82.81 D87.2
Net-(D89-A): length 3.8
  Bottom w0.127: SW46.2 229.63,82.81 D89.2
Net-(D91-A): length 3.8
  Bottom w0.127: SW47.2 234.4,25.66 D91.2
Net-(D93-A): length 3.8
  Bottom w0.127: SW48.2 239.16,63.76 D93.2
Net-(D95-A): length 3.8
  Bottom w0.127: D95.2 72.47,44.71 SW49.2
Net-(D97-A): length 3.8
  Bottom w0.127: D97.2 243.92,44.71 SW50.2
Net-(D99-A): length 3.8
  Bottom w0.127: D99.2 67.71,63.76 67.71,64.75
Net-(D101-A): length 3.8
  Bottom w0.127: SW52.2 82,25.66 D101.2
Net-(D103-A): length 3.8
  Bottom w0.127: SW53.2 248.69,82.81 D103.2
Net-(D105-A): length 3.8
  Bottom w0.127: D105.2 39.14,82.81 SW54.2
Net-(D107-A): length 3.8
  Bottom w0.127: SW55.2 62.95,25.66 D107.2
Net-(D109-A): length 3.8
  Bottom w0.127: SW56.2 53.42,44.71 D109.2
Net-(D111-A): length 3.8
  Bottom w0.127: D111.2 48.66,63.76 SW57.2
Net-(D113-A): length 3.8
  Bottom w0.127: SW58.2 258.21,63.76 D113.2
Net-(D115-A): length 3.8
  Bottom w0.127: SW59.2 46.28,6.61 D115.2
Net-(D119-A): length 3.8
  Bottom w0.127: D119.2 20.09,82.81 SW61.2
Net-(D121-A): length 9.9
  Bottom w0.127: SW62.2 275.27,46.09 D121.2
Net-(D123-A): length 5.3
  Bottom w0.127: SW63.2 276.93,83.47 D123.2
Net-(D125-A): length 3.8
  Bottom w0.127: D125.2 72.47,111.39 SW64.2
Net-(D127-A): length 3.8
  Bottom w0.127: D127.2 27.23,44.71 SW65.2
Net-(D128-A): length 3.8
  Bottom w0.127: SW80.2 282.02,63.76 D128.2
Net-(D129-A): length 3.8
  Bottom w0.127: D129.2 22.47,6.61 SW66.2
Net-(D130-A): length 4.7
  Bottom w0.127: SW76.2 285.29,8.49 D130.2
Net-(D131-A): length 3.8
  Bottom w0.127: SW67.2 24.85,63.76 D131.2
Net-(D132-A): length 3.8
  Bottom w0.127: SW78.2 70.09,6.61 D132.2
Net-(D133-A): length 3.8
  Bottom w0.127: SW68.2 129.62,111.39 D133.2
Net-(D134-A): length 3.8
  Bottom w0.127: SW79.2 212.97,6.61 D134.2
Net-(D135-A): length 5.3
  Bottom w0.127: SW69.2 31.99,21.86 D135.2
Net-(D137-A): length 3.8
  Bottom w0.127: SW70.2 260.59,6.61 D137.2
Net-(D139-A): length 3.8
  Bottom w0.127: D139.2 272.5,111.39 SW71.2
Net-(D141-A): length 3.8
  Bottom w0.127: D141.2 243.92,111.39 SW72.2
Net-(D143-A): length 3.8
  Bottom w0.127: SW73.2 215.35,111.39 D143.2
Net-(D145-A): length 3.8
  Bottom w0.127: SW74.2 186.77,111.39 D145.2
Net-(D147-A): length 5.5
  Bottom w0.127: D147.2 270.12,21.58 SW75.2
Net-(D148-A): length 3.8
  Bottom w0.127: SW77.2 236.78,6.61 D148.2
Net-(J5-CC1): length 1.8
  Bottom w0.25: R7.1 135.1,127.1 J5.A5
Net-(J5-CC2): length 1.8
  Bottom w0.25: R6.1 138.1,127 J5.B5
Net-(R32-Pad2): length 1.5
  Bottom w0.127: SW3.2 R32.2
Net-(U7-RUN): length 163.4
  Top w0.127: v1(263.82,97.42) 263.65,97.25 136.22,97.25 v1(135.34,98.13)
  Bottom w0.127: R32.1 275.12,117.9 271.03,113.82 271.03,104.63 v1(263.82,97.42) ; U7.26 135.25,98.04 v1(135.34,98.13)

## Copper pours and planes (outline as drawn; the poured copper is in the pictures)
GND on Top, Bottom: 311.35,-4.8 -20.65,-5.28 -20.65,138.73 311.35,138.73

## Text on the board
B.Silkscreen: GND | SWD | SWCLK | COL | ROW | Boot Select | Col 1 | Row 1 | Col 2 | Row 7 | Row 3 | Col 3 | Row 5 | Col 4 | Col 5 | Col 6 | Col 7 | Col 8 | Col 9 | https://github.com/scrameta/tonnere / Rev. 1 / © Bertrand Le Roy 2026 | SDA | SCL | 3V3 | Row 2 | Row 8 | Row 4 | Row 6 | Reset / keyboard | qwiic / I2C | USB | 5V | D- | D+ | I2C display | Encoder | Debug | F2 C8R5 | F3 C1R8 | F4 C8R8 | Help C2R8 | Start | Select | Option | Reset | Esc C8R2 | Control C9R5 | Tab C8R4 | Caps C8R6 | Shift C9R8 | 1 ! C7R2 | F1 C1R5 | Inverse / C7R7 | Q C7R4 | A C7R6 | 2 @ C6R2 | Z C7R8 | W C6R4 | Alt C9R6 | S C6R6 | 3 # C5R2 | X C6R8 | E C5R4 | D C5R6 | 4 $ C4R2 | C C5R8 | R C4R4 | F C4R6 | 5 % C3R2 | V C4R8 | T C3R4 | G C3R6 | 6 ^ C1R2 | B C3R8 | Space C2R7 | Y C1R4 | H C2R6 | 7 & C1R1 | N C1R7 | U C1R3 | J C2R5 | 8 * C3R1 | M C3R7 | I C3R3 | K C3R5 | 9 ( C4R1 | , < C4R7 | O C4R3 | L C4R5 | 0 ) C5R1 | Alt C9R3 | . > C5R7 | P C5R3 | ; : C5R5 | - _ C6R1 | / ? C6R7 | Fn C9R4 | [ { C6R3 | ' {dblquote} C6R5 | = + C7R1 | ] } C7R3 | Break C9R1 | Shift C9R7 | Return C8R3 | Backspace / C8R1 | \ | C8R7 | Control / C9R2 | MEGA | XE
F.Silkscreen: https://github.com/scrameta/tonnere / Rev. 1 / © Bertrand Le Roy 2026 | Backspace | 15 | 68 | 42 | 43 | 67 | 16 | 6 | 69 | 41 | 44 | 0 | 17 | 66 | 40 | 70 | 1 | 7 | 45 | 18 | 65 | 39 | 2 | 46 | 71 | 8 | 64 | 3 | 38 | 47 | 20 | 63 | 72 | 4 | 37 | 9 | 48 | 21 | 62 | 73 | 36 | 49 | 22 | 10 | 61 | 35 | 74 | 50 | 23 | 60 | 34 | 75 | 11 | 51 | 24 | 59 | 33 | 52 | 25 | 76 | 12 | 58 | 32 | 53 | 26 | 57 | 77 | 31 | 13 | 54 | 27 | 30 | 78 | 56 | 14 | 55 | 28 | 29 | 79 | 5 | Esc | Tab Set Clr | Caps | Shift | Control | 1 ! | F1 | Q | A | 2 @ | Z | W | Alt | S | F2 | 3 # | X | E | D | 4 $ | C | F3 | R | F | 5 % | V | T | G | F4 | 6 ^ | B | Y | H | 7 & | N | Help | U | J | 8 * | M | I | K | Start | 9 ( | , < | O | L | 0 ) | . > | Select | P | ; : | - _ | / ? | Fn | [ { | ' {dblquote} | Option | = + | ] } | Break | Return | Reset | \ | | Power | MEGA | XE
